# Allegro board 8880F5-0823_RXTX.brd (continued)
## Routing (per net, layer and track width the routed paths; a pad name or vN(x,y) marks a point on that pad's centre or on a via; arc(x,y) is an arc through that point) (continued)
; D124.B11 259.08,38.91 ; D124.B11 258.27,38.1 ; 250.23,242.35 SITE1.G14 ; SITE1.G14 250.71,242.83 ; SITE1.G14 249.75,242.83 ; SITE1.G14 250.23,243.31 ; D116.B10 325.12,389.43 ; D116.B10 324.31,388.62 ; D116.B10 325.93,388.62 ; D116.B10 325.12,387.81 ; 38.1,77.93 D126.B11 ; D126.B11 37.29,78.74 ; D126.B11 38.91,78.74 ; D126.B11 38.1,79.55 ; 326.95,68.58 D302.B9 ; D302.B9 327.66,67.87 ; D302.B9 328.37,68.58 ; D302.B9 327.66,69.29 ; D317.B8 178.51,91.44 ; D317.B8 177.8,92.15 ; D317.B8 177.09,91.44 ; D317.B8 177.8,90.73 ; D231.A11 176.07,375.92 ; D231.A11 175.26,376.73 ; D231.A11 174.45,375.92 ; D231.A11 175.26,375.11 ; SITE1.G12 253.33,248.41 ; SITE1.G12 253.81,247.93 ; SITE1.G12 252.85,247.93 ; SITE1.G12 253.33,247.45 ; D114.B3 343.71,350.52 ; D114.B3 342.9,351.33 ; D114.B3 342.9,349.71 ; D114.B3 342.09,350.52 ; SITE2.G19 331.43,246.91 ; SITE2.G19 331.43,245.95 ; SITE2.G19 331.91,246.43 ; SITE2.G19 330.95,246.43 ; 42.37,58.42 D127.B13 ; D127.B13 43.99,58.42 ; D127.B13 43.18,57.61 ; D127.B13 43.18,59.23 ; 166.83,35.56 D120.A4 ; D120.A4 167.64,36.37 ; D120.A4 167.64,34.75 ; D120.A4 168.45,35.56 ; 391.16,390.35 D112.B13 ; D112.B13 390.35,391.16 ; D112.B13 391.16,391.97 ; D112.B13 391.97,391.16 ; D321.A13 264.16,84.53 ; D321.A13 263.45,83.82 ; D321.A13 264.87,83.82 ; D321.A13 264.16,83.11 ; 393.7,80.47 D106.B6 ; D106.B6 392.89,81.28 ; D106.B6 394.51,81.28 ; D106.B6 393.7,82.09 ; D302.A2 310.59,66.04 ; D302.A2 309.88,66.75 ; D302.A2 309.88,65.33 ; D302.A2 309.17,66.04 ; 194.77,73.66 D118.A15 ; D118.A15 195.58,72.85 ; D118.A15 196.39,73.66 ; D118.A15 195.58,74.47 ; D113.B11 322.58,331.01 ; D113.B11 322.58,329.39 ; D113.B11 323.39,330.2 ; D113.B11 321.77,330.2 ; D306.B12 409.65,71.12 ; D306.B12 408.23,71.12 ; D306.B12 408.94,71.83 ; D306.B12 408.94,70.41 ; 22.86,37.29 D128.B5 ; D128.B5 22.05,38.1 ; D128.B5 22.86,38.91 ; D128.B5 23.67,38.1 ; 416.56,390.35 D112.B3 ; D112.B3 415.75,391.16 ; D112.B3 417.37,391.16 ; D112.B3 416.56,391.97 ; D306.A7 396.95,63.5 ; D306.A7 396.24,64.21 ; D306.A7 395.53,63.5 ; D306.A7 396.24,62.79 ; 45.72,80.47 D126.B14 ; D126.B14 45.72,82.09 ; D126.B14 44.91,81.28 ; D120.A14 193.04,36.37 ; D120.A14 193.85,35.56 ; D120.A14 192.23,35.56 ; D120.A14 193.04,34.75 ; 121.11,78.74 D130.B15 ; D130.B15 122.73,78.74 ; D130.B15 121.92,77.93 ; D130.B15 121.92,79.55 ; D128.B10 35.56,41.45 ; D128.B10 35.56,39.83 ; D128.B10 36.37,40.64 ; D128.B10 34.75,40.64 ; 250.65,35.56 D124.A8 ; D124.A8 251.46,34.75 ; D124.A8 251.46,36.37 ; D124.A8 252.27,35.56 ; 162.56,342.09 CSDPS429.B16 ; CSDPS429.B16 161.75,342.9 ; CSDPS429.B16 162.56,343.71 ; CSDPS429.B16 163.37,342.9 ; 111.76,52.53 D131.A11 ; D131.A11 112.57,53.34 ; D131.A11 111.76,54.15 ; D131.A11 110.95,53.34 ; D130.A12 115.11,76.2 ; D130.A12 114.3,77.01 ; D130.A12 113.49,76.2 ; D130.A12 114.3,75.39 ; 190.5,57.61 D119.B13 ; D119.B13 189.69,58.42 ; D119.B13 190.5,59.23 ; D119.B13 191.31,58.42 ; D431.B8 183.69,378.46 ; D431.B8 182.07,378.46 ; D431.B8 182.88,377.65 ; D431.B8 182.88,379.27 ; SITE2.G4 331.33,241.81 ; SITE2.G4 330.85,241.33 ; SITE2.G4 331.33,240.85 ; SITE2.G4 331.81,241.33 ; 99.06,60.15 D131.B6 ; D131.B6 99.06,61.77 ; D131.B6 98.25,60.96 ; D131.B6 99.87,60.96 ; 328.55,186.43 SITE4.G17 ; SITE4.G17 329.51,186.43 ; SITE4.G17 329.03,185.95 ; SITE4.G17 329.03,186.91 ; 172.01,71.12 D318.B6 ; D318.B6 172.72,70.41 ; D318.B6 173.43,71.12 ; D318.B6 172.72,71.83 ; D107.B12 409.75,60.96 ; D107.B12 408.13,60.96 ; D107.B12 408.94,60.15 ; D107.B12 408.94,61.77 ; 266.7,39.83 D124.B14 ; D124.B14 265.89,40.64 ; D124.B14 267.51,40.64 ; D124.B14 266.7,41.45 ; D130.B7 101.6,79.55 ; D130.B7 102.41,78.74 ; D130.B7 101.6,77.93 ; D130.B7 100.79,78.74 ; D317.B16 198.12,92.15 ; D317.B16 198.12,90.73 ; D317.B16 198.83,91.44 ; D317.B16 197.41,91.44 ; 403.86,367.49 D111.B8 ; D111.B8 403.05,368.3 ; D111.B8 403.86,369.11 ; D111.B8 404.67,368.3 ; 329.39,35.56 D104.A10 ; D104.A10 331.01,35.56 ; D104.A10 330.2,34.75 ; D104.A10 330.2,36.37 ; D231.A10 178.61,373.38 ; D231.A10 177.8,372.57 ; D231.A10 176.99,373.38 ; D231.A10 177.8,374.19 ; D110.B4 414.83,347.98 ; D110.B4 414.02,347.17 ; D110.B4 414.02,348.79 ; D110.B4 413.21,347.98 ; 330.2,75.39 D102.A10 ; D102.A10 329.39,76.2 ; D102.A10 331.01,76.2 ; D102.A10 330.2,77.01 ; SITE1.G11 252.81,247.93 ; SITE1.G11 252.33,248.41 ; SITE1.G11 251.85,247.93 ; SITE1.G11 252.33,247.45 ; 332.33,240.85 SITE2.G5 ; SITE2.G5 332.81,241.33 ; SITE2.G5 332.33,241.81 ; SITE2.G5 331.85,241.33 ; 171.91,378.46 D431.B12 ; D431.B12 173.53,378.46 ; D431.B12 172.72,379.27 ; D431.B12 172.72,377.65 ; 99.06,80.47 D130.B6 ; D130.B6 98.25,81.28 ; D130.B6 99.87,81.28 ; D130.B6 99.06,82.09 ; D129.A12 114.3,97.33 ; D129.A12 114.3,95.71 ; D129.A12 113.49,96.52 ; D129.A12 115.11,96.52 ; 111.76,32.21 D132.A11 ; D132.A11 110.95,33.02 ; D132.A11 111.76,33.83 ; D132.A11 112.57,33.02 ; 408.13,55.88 D107.A12 ; D107.A12 408.94,56.69 ; D107.A12 408.94,55.07 ; D107.A12 409.75,55.88 ; D116.B3 343.71,391.16 ; D116.B3 342.9,390.35 ; D116.B3 342.9,391.97 ; D116.B3 342.09,391.16 ; 197.41,66.04 D318.A16 ; D318.A16 198.83,66.04 ; D318.A16 198.12,65.33 ; D318.A16 198.12,66.75 ; 314.25,66.04 D302.A4 ; D302.A4 314.96,66.75 ; D302.A4 315.67,66.04 ; D302.A4 314.96,65.33 ; D127.A3 17.78,54.15 ; D127.A3 17.78,52.53 ; D127.A3 18.59,53.34 ; D127.A3 16.97,53.34 ; DPS1.A11 407.21,13.97 ; DPS1.A11 406.4,13.16 ; DPS1.A11 406.4,14.78 ; DPS1.A11 405.59,13.97 ; D114.B2 346.25,347.98 ; D114.B2 345.44,347.17 ; D114.B2 344.63,347.98 ; D114.B2 345.44,348.79 ; 419.1,39.83 D108.B16 ; D108.B16 418.29,40.64 ; D108.B16 419.91,40.64 ; D108.B16 419.1,41.45 ; D103.A12 336.09,55.88 ; D103.A12 335.28,56.69 ; D103.A12 335.28,55.07 ; D103.A12 334.47,55.88 ; 321.77,410.21 DPS2.C11 ; DPS2.C11 322.58,411.02 ; DPS2.C11 322.58,409.4 ; DPS2.C11 323.39,410.21 ; 319.23,332.74 D113.A12 ; D113.A12 320.85,332.74 ; D113.A12 320.04,331.93 ; D113.A12 320.04,333.55 ; 321.87,63.5 D302.A7 ; D302.A7 323.29,63.5 ; D302.A7 322.58,62.79 ; D302.A7 322.58,64.21 ; 330.33,187.45 SITE4.G9 ; SITE4.G9 329.85,187.93 ; SITE4.G9 330.33,188.41 ; SITE4.G9 330.81,187.93 ; D132.B15 122.73,38.1 ; D132.B15 121.11,38.1 ; D132.B15 121.92,37.29 ; D132.B15 121.92,38.91 ; D124.B7 249.73,38.1 ; D124.B7 248.92,37.29 ; D124.B7 248.11,38.1 ; D124.B7 248.92,38.91 ; D321.A9 254,84.53 ; D321.A9 254.71,83.82 ; D321.A9 254,83.11 ; D321.A9 253.29,83.82 ; 197.41,86.36 D317.A16 ; D317.A16 198.12,85.65 ; D317.A16 198.83,86.36 ; D317.A16 198.12,87.07 ; 391.16,67.87 D306.B5 ; D306.B5 390.45,68.58 ; D306.B5 391.87,68.58 ; D306.B5 391.16,69.29 ; SITE4.G15 331.91,182.83 ; SITE4.G15 331.43,183.31 ; SITE4.G15 331.43,182.35 ; SITE4.G15 330.95,182.83 ; D127.A13 43.99,53.34 ; D127.A13 43.18,52.53 ; D127.A13 43.18,54.15 ; D127.A13 42.37,53.34 ; 320.04,70.41 D302.B6 ; D302.B6 320.04,71.83 ; D302.B6 320.75,71.12 ; D302.B6 319.33,71.12 ; D305.A15 416.56,84.53 ; D305.A15 415.85,83.82 ; D305.A15 417.27,83.82 ; D305.A15 416.56,83.11 ; 93.17,101.6 D129.B4 ; D129.B4 93.98,102.41 ; D129.B4 94.79,101.6 ; D129.B4 93.98,100.79 ; 30.48,95.71 D125.A8 ; D125.A8 30.48,97.33 ; D125.A8 31.29,96.52 ; D125.A8 29.67,96.52 ; 380.19,78.74 D106.B1 ; D106.B1 381.81,78.74 ; D106.B1 381,77.93 ; D106.B1 381,79.55 ; 320.04,326.85 D113.B12 ; D113.B12 320.85,327.66 ; D113.B12 319.23,327.66 ; D113.B12 320.04,328.47 ; 335.28,70.41 D302.B12 ; D302.B12 335.99,71.12 ; D302.B12 334.57,71.12 ; D302.B12 335.28,71.83 ; 337.82,329.39 D113.B5 ; D113.B5 338.63,330.2 ; D113.B5 337.82,331.01 ; D113.B5 337.01,330.2 ; D231.B3 196.39,370.84 ; D231.B3 195.58,371.65 ; D231.B3 194.77,370.84 ; D231.B3 195.58,370.03 ; D119.A5 170.18,54.15 ; D119.A5 169.37,53.34 ; D119.A5 170.99,53.34 ; D119.A5 170.18,52.53 ; SITE4.G4 331.33,181.81 ; SITE4.G4 330.85,181.33 ; SITE4.G4 331.81,181.33 ; SITE4.G4 331.33,180.85 ; 381,32.21 D108.A1 ; D108.A1 381.81,33.02 ; D108.A1 381,33.83 ; D108.A1 380.19,33.02 ; 333.33,187.45 SITE4.G12 ; SITE4.G12 333.33,188.41 ; SITE4.G12 333.81,187.93 ; SITE4.G12 332.85,187.93 ; 309.07,327.66 D113.B16 ; D113.B16 310.69,327.66 ; D113.B16 309.88,328.47 ; D113.B16 309.88,326.85 ; 398.78,39.83 D108.B8 ; D108.B8 397.97,40.64 ; D108.B8 399.59,40.64 ; D108.B8 398.78,41.45 ; D129.B1 87.17,99.06 ; D129.B1 85.55,99.06 ; D129.B1 86.36,99.87 ; D129.B1 86.36,98.25 ; 195.58,339.55 CSDPS429.C3 ; CSDPS429.C3 194.77,340.36 ; CSDPS429.C3 196.39,340.36 ; CSDPS429.C3 195.58,341.17 ; D321.B16 272.49,91.44 ; D321.B16 271.07,91.44 ; D321.B16 271.78,92.15 ; D321.B16 271.78,90.73 ; 182.88,90.73 D317.B10 ; D317.B10 182.17,91.44 ; D317.B10 182.88,92.15 ; D317.B10 183.59,91.44 ; 198.12,377.65 D431.B2 ; D431.B2 198.12,379.27 ; D431.B2 197.31,378.46 ; D431.B2 198.93,378.46 ; 182.17,66.04 D318.A10 ; D318.A10 183.59,66.04 ; D318.A10 182.88,66.75 ; D318.A10 182.88,65.33 ; CSDPS429.C5 191.31,340.36 ; CSDPS429.C5 189.69,340.36 ; CSDPS429.C5 190.5,341.17 ; CSDPS429.C5 190.5,339.55 ; 332.63,245.95 SITE2.G20 ; SITE2.G20 333.11,246.43 ; SITE2.G20 332.63,246.91 ; SITE2.G20 332.15,246.43 ; 170.18,88.19 D317.B5 ; D317.B5 169.47,88.9 ; D317.B5 170.18,89.61 ; D317.B5 170.89,88.9 ; 250.23,182.35 SITE3.G14 ; SITE3.G14 250.71,182.83 ; SITE3.G14 249.75,182.83 ; SITE3.G14 250.23,183.31 ; 337.01,396.24 D116.A5 ; D116.A5 337.82,397.05 ; D116.A5 337.82,395.43 ; D116.A5 338.63,396.24 ; SITE2.G11 332.81,247.93 ; SITE2.G11 332.33,247.45 ; SITE2.G11 331.85,247.93 ; SITE2.G11 332.33,248.41 ; D318.B1 160.02,69.29 ; D318.B1 160.73,68.58 ; D318.B1 159.31,68.58 ; D318.B1 160.02,67.87 ; 167.64,75.39 D118.A4 ; D118.A4 166.83,76.2 ; D118.A4 167.64,77.01 ; D118.A4 168.45,76.2 ; D305.A8 398.78,87.07 ; D305.A8 399.49,86.36 ; D305.A8 398.07,86.36 ; D305.A8 398.78,85.65 ; D301.B15 342.9,89.61 ; D301.B15 342.9,88.19 ; D301.B15 343.61,88.9 ; D301.B15 342.19,88.9 ; 240.49,35.56 D124.A4 ; D124.A4 241.3,34.75 ; D124.A4 241.3,36.37 ; D124.A4 242.11,35.56 ; D102.B13 337.82,79.55 ; D102.B13 337.01,78.74 ; D102.B13 338.63,78.74 ; D102.B13 337.82,77.93 ; D431.A1 201.47,386.08 ; D431.A1 200.66,385.27 ; D431.A1 200.66,386.89 ; D431.A1 199.85,386.08 ; D318.B10 183.59,71.12 ; D318.B10 182.17,71.12 ; D318.B10 182.88,70.41 ; D318.B10 182.88,71.83 ; D113.A2 346.25,332.74 ; D113.A2 344.63,332.74 ; D113.A2 345.44,333.55 ; D113.A2 345.44,331.93 ; 345.44,55.07 D103.A16 ; D103.A16 345.44,56.69 ; D103.A16 344.63,55.88 ; D103.A16 346.25,55.88 ; 177.8,55.07 D119.A8 ; D119.A8 177.8,56.69 ; D119.A8 178.61,55.88 ; D119.A8 176.99,55.88 ; CSDPS425.C1 274.32,341.17 ; CSDPS425.C1 274.32,339.55 ; CSDPS425.C1 273.51,340.36 ; CSDPS425.C1 275.13,340.36 ; 311.61,38.1 D104.B3 ; D104.B3 313.23,38.1 ; D104.B3 312.42,38.91 ; D104.B3 312.42,37.29 ; D116.A1 347.98,397.05 ; D116.A1 347.17,396.24 ; D116.A1 347.98,395.43 ; D116.A1 348.79,396.24 ; 316.69,370.84 D115.B13 ; D115.B13 317.5,371.65 ; D115.B13 317.5,370.03 ; D115.B13 318.31,370.84 ; D106.A2 383.54,77.01 ; D106.A2 384.35,76.2 ; D106.A2 382.73,76.2 ; D106.A2 383.54,75.39 ; D110.A10 399.59,353.06 ; D110.A10 398.78,352.25 ; D110.A10 398.78,353.87 ; D110.A10 397.97,353.06 ; 316.79,88.9 D301.B5 ; D301.B5 318.21,88.9 ; D301.B5 317.5,89.61 ; D301.B5 317.5,88.19 ; D120.A16 198.12,36.37 ; D120.A16 197.31,35.56 ; D120.A16 198.93,35.56 ; D120.A16 198.12,34.75 ; D120.A3 165.91,33.02 ; D120.A3 164.29,33.02 ; D120.A3 165.1,33.83 ; D120.A3 165.1,32.21 ; 45.72,100.79 D125.B14 ; D125.B14 44.91,101.6 ; D125.B14 46.53,101.6 ; D125.B14 45.72,102.41 ; D119.A12 188.77,55.88 ; D119.A12 187.96,56.69 ; D119.A12 187.96,55.07 ; D119.A12 187.15,55.88 ; D131.B13 116.84,59.23 ; D131.B13 117.65,58.42 ; D131.B13 116.84,57.61 ; D131.B13 116.03,58.42 ; D113.B4 340.36,328.47 ; D113.B4 341.17,327.66 ; D113.B4 339.55,327.66 ; D113.B4 340.36,326.85 ; 414.02,75.39 D106.A14 ; D106.A14 414.83,76.2 ; D106.A14 413.21,76.2 ; D106.A14 414.02,77.01 ; CSDPS229.B6 188.77,332.74 ; CSDPS229.B6 187.96,333.55 ; CSDPS229.B6 187.96,331.93 ; CSDPS229.B6 187.15,332.74 ; 167.64,85.65 D317.A4 ; D317.A4 167.64,87.07 ; D317.A4 166.93,86.36 ; D317.A4 168.35,86.36 ; D104.A11 333.55,33.02 ; D104.A11 332.74,33.83 ; D104.A11 331.93,33.02 ; D104.A11 332.74,32.21 ; D116.B12 320.85,388.62 ; D116.B12 320.04,389.43 ; D116.B12 320.04,387.81 ; D116.B12 319.23,388.62 ; D120.B14 193.85,40.64 ; D120.B14 193.04,39.83 ; D120.B14 193.04,41.45 ; D120.B14 192.23,40.64 ; D123.A9 254.81,53.34 ; D123.A9 254,52.53 ; D123.A9 253.19,53.34 ; D123.A9 254,54.15 ; D128.A1 12.7,33.83 ; D128.A1 11.89,33.02 ; D128.A1 13.51,33.02 ; D128.A1 12.7,32.21 ; D114.A3 343.71,355.6 ; D114.A3 342.9,356.41 ; D114.A3 342.09,355.6 ; D114.A3 342.9,354.79 ; 266.7,80.47 D122.B14 ; D122.B14 266.7,82.09 ; D122.B14 267.51,81.28 ; D122.B14 265.89,81.28 ; 390.35,13.97 DPS1.A05 ; DPS1.A05 391.16,14.78 ; DPS1.A05 391.16,13.16 ; DPS1.A05 391.97,13.97 ; D102.A16 345.44,77.01 ; D102.A16 345.44,75.39 ; D102.A16 346.25,76.2 ; D102.A16 344.63,76.2 ; CSDPS429.C1 201.47,340.36 ; CSDPS429.C1 200.66,339.55 ; CSDPS429.C1 200.66,341.17 ; CSDPS429.C1 199.85,340.36 ; SITE1.G18 250.71,246.43 ; SITE1.G18 249.75,246.43 ; SITE1.G18 250.23,245.95 ; SITE1.G18 250.23,246.91 ; D103.B4 314.96,61.77 ; D103.B4 314.15,60.96 ; D103.B4 314.96,60.15 ; D103.B4 315.77,60.96 ; 259.08,67.87 D322.B11 ; D322.B11 259.79,68.58 ; D322.B11 258.37,68.58 ; D322.B11 259.08,69.29 ; 116.84,32.21 D132.A13 ; D132.A13 116.03,33.02 ; D132.A13 116.84,33.83 ; D132.A13 117.65,33.02 ; 45.72,60.15 D127.B14 ; D127.B14 46.53,60.96 ; D127.B14 44.91,60.96 ; D127.B14 45.72,61.77 ; D306.A10 403.86,66.75 ; D306.A10 404.57,66.04 ; D306.A10 403.86,65.33 ; D306.A10 403.15,66.04 ; 233.68,13.16 DPS3.A01 ; DPS3.A01 233.68,14.78 ; DPS3.A01 232.87,13.97 ; DPS3.A01 234.49,13.97 ; 235.41,35.56 D124.A2 ; D124.A2 236.22,34.75 ; D124.A2 236.22,36.37 ; D124.A2 237.03,35.56 ; 251.33,247.45 SITE1.G10 ; SITE1.G10 251.81,247.93 ; SITE1.G10 250.85,247.93 ; SITE1.G10 251.33,248.41 ; D114.A9 328.47,355.6 ; D114.A9 327.66,354.79 ; D114.A9 326.85,355.6 ; D114.A9 327.66,356.41 ; 118.57,96.52 D129.A14 ; D129.A14 120.19,96.52 ; D129.A14 119.38,97.33 ; D301.A2 310.59,86.36 ; D301.A2 309.88,87.07 ; D301.A2 309.17,86.36 ; D301.A2 309.88,85.65 ; D115.B15 312.42,371.65 ; D115.B15 311.61,370.84 ; D115.B15 313.23,370.84 ; D115.B15 312.42,370.03 ; 307.34,52.53 D103.A1 ; D103.A1 306.53,53.34 ; D103.A1 308.15,53.34 ; D103.A1 307.34,54.15 ; 248.11,330.2 CSDPS225.C11 ; CSDPS225.C11 248.92,329.39 ; CSDPS225.C11 248.92,331.01 ; CSDPS225.C11 249.73,330.2 ; 347.17,330.2 D113.B1 ; D113.B1 347.98,329.39 ; D113.B1 348.79,330.2 ; D113.B1 347.98,331.01 ; 334.47,353.06 D114.A6 ; D114.A6 335.28,352.25 ; D114.A6 336.09,353.06 ; D114.A6 335.28,353.87 ; 320.04,65.33 D302.A6 ; D302.A6 320.04,66.75 ; D302.A6 320.75,66.04 ; D302.A6 319.33,66.04 ; D128.A13 43.99,33.02 ; D128.A13 43.18,33.83 ; D128.A13 43.18,32.21 ; D128.A13 42.37,33.02 ; 331.43,185.95 SITE4.G19 ; SITE4.G19 331.43,186.91 ; SITE4.G19 331.91,186.43 ; SITE4.G19 330.95,186.43 ; SITE3.G5 252.33,181.81 ; SITE3.G5 252.81,181.33 ; SITE3.G5 252.33,180.85 ; SITE3.G5 251.85,181.33 ; DPS8.C11 176.07,410.21 ; DPS8.C11 175.26,411.02 ; DPS8.C11 175.26,409.4 ; DPS8.C11 174.45,410.21 ; 253.19,58.42 D123.B9 ; D123.B9 254,59.23 ; D123.B9 254.81,58.42 ; D123.B9 254,57.61 ; 197.31,60.96 D119.B16 ; D119.B16 198.12,61.77 ; D119.B16 198.93,60.96 ; D119.B16 198.12,60.15 ; 165.1,414.48 DPS8.A15 ; DPS8.A15 165.91,415.29 ; DPS8.A15 165.1,416.1 ; DPS8.A15 164.29,415.29 ; D109.B1 421.64,331.01 ; D109.B1 420.83,330.2 ; D109.B1 421.64,329.39 ; D109.B1 422.45,330.2 ; D102.B6 320.04,82.09 ; D102.B6 320.85,81.28 ; D102.B6 319.23,81.28 ; D102.B6 320.04,80.47 ; 387.81,35.56 D108.A4 ; D108.A4 389.43,35.56 ; D108.A4 388.62,34.75 ; D108.A4 388.62,36.37 ; CSDPS225.B6 261.62,333.55 ; CSDPS225.B6 260.81,332.74 ; CSDPS225.B6 262.43,332.74 ; CSDPS225.B6 261.62,331.93 ; D118.B8 178.61,81.28 ; D118.B8 177.8,82.09 ; D118.B8 177.8,80.47 ; D118.B8 176.99,81.28 ; 114.3,80.47 D130.B12 ; D130.B12 114.3,82.09 ; D130.B12 113.49,81.28 ; D130.B12 115.11,81.28 ; 90.63,38.1 D132.B3 ; D132.B3 91.44,37.29 ; D132.B3 91.44,38.91 ; D132.B3 92.25,38.1 ; D127.A16 50.8,56.69 ; D127.A16 51.61,55.88 ; D127.A16 50.8,55.07 ; D127.A16 49.99,55.88 ; D113.A5 338.63,335.28 ; D113.A5 337.82,336.09 ; D113.A5 337.82,334.47 ; D113.A5 337.01,335.28 ; CSDPS429.B10 178.61,342.9 ; CSDPS429.B10 176.99,342.9 ; CSDPS429.B10 177.8,343.71 ; CSDPS429.B10 177.8,342.09 ; 268.43,33.02 D124.A15 ; D124.A15 269.24,32.21 ; D124.A15 270.05,33.02 ; D124.A15 269.24,33.83 ; 337.01,33.02 D104.A13 ; D104.A13 337.82,32.21 ; D104.A13 338.63,33.02 ; D104.A13 337.82,33.83 ; 251.46,80.47 D122.B8 ; D122.B8 250.65,81.28 ; D122.B8 252.27,81.28 ; D122.B8 251.46,82.09 ; D127.B6 25.4,61.77 ; D127.B6 24.59,60.96 ; D127.B6 25.4,60.15 ; D127.B6 26.21,60.96 ; 252.15,242.83 SITE1.G16 ; SITE1.G16 252.63,243.31 ; SITE1.G16 253.11,242.83 ; SITE1.G16 252.63,242.35 ; 321.77,33.02 D104.A7 ; D104.A7 322.58,32.21 ; D104.A7 323.39,33.02 ; D104.A7 322.58,33.83 ; D318.A11 185.42,64.21 ; D318.A11 185.42,62.79 ; D318.A11 186.13,63.5 ; D318.A11 184.71,63.5 ; D119.B12 187.96,61.77 ; D119.B12 187.15,60.96 ; D119.B12 187.96,60.15 ; D119.B12 188.77,60.96 ; D109.B11 396.24,331.01 ; D109.B11 395.43,330.2 ; D109.B11 397.05,330.2 ; D109.B11 396.24,329.39 ; 408.94,34.75 D108.A12 ; D108.A12 409.75,35.56 ; D108.A12 408.94,36.37 ; D108.A12 408.13,35.56 ; 392.89,368.3 D111.B12 ; D111.B12 393.7,367.49 ; D111.B12 393.7,369.11 ; D111.B12 394.51,368.3 ; 116.03,53.34 D131.A13 ; D131.A13 117.65,53.34 ; D131.A13 116.84,54.15 ; D131.A13 116.84,52.53 ; 268.43,330.2 CSDPS225.C3 ; CSDPS225.C3 269.24,329.39 ; CSDPS225.C3 269.24,331.01 ; CSDPS225.C3 270.05,330.2 ; 314.96,70.41 D302.B4 ; D302.B4 315.67,71.12 ; D302.B4 314.25,71.12 ; D302.B4 314.96,71.83 ; 243.03,78.74 D122.B5 ; D122.B5 243.84,77.93 ; D122.B5 243.84,79.55 ; D122.B5 244.65,78.74 ; 345.44,60.15 D103.B16 ; D103.B16 344.63,60.96 ; D103.B16 346.25,60.96 ; D103.B16 345.44,61.77 ; 19.51,76.2 D126.A4 ; D126.A4 20.32,77.01 ; D126.A4 21.13,76.2 ; D126.A4 20.32,75.39 ; D127.A9 33.02,54.15 ; D127.A9 33.83,53.34 ; D127.A9 33.02,52.53 ; D127.A9 32.21,53.34 ; D305.A9 401.32,84.53 ; D305.A9 401.32,83.11 ; D305.A9 402.03,83.82 ; D305.A9 400.61,83.82 ; D116.A15 313.23,396.24 ; D116.A15 311.61,396.24 ; D116.A15 312.42,395.43 ; D116.A15 312.42,397.05 ; D123.B16 272.59,60.96 ; D123.B16 270.97,60.96 ; D123.B16 271.78,60.15 ; D123.B16 271.78,61.77 ; 390.35,38.1 D108.B5 ; D108.B5 391.97,38.1 ; D108.B5 391.16,38.91 ; D108.B5 391.16,37.29 ; D114.B9 328.47,350.52 ; D114.B9 327.66,351.33 ; D114.B9 326.85,350.52 ; D114.B9 327.66,349.71 ; 329.39,373.38 D115.A8 ; D115.A8 330.2,372.57 ; D115.A8 331.01,373.38 ; D115.A8 330.2,374.19 ; 251.33,240.85 SITE1.G4 ; SITE1.G4 251.81,241.33 ; SITE1.G4 251.33,241.81 ; SITE1.G4 250.85,241.33 ; 408.13,347.98 D110.B6 ; D110.B6 408.94,348.79 ; D110.B6 408.94,347.17 ; D110.B6 409.75,347.98 ; D131.A1 87.17,53.34 ; D131.A1 86.36,52.53 ; D131.A1 85.55,53.34 ; D131.A1 86.36,54.15 ; 185.42,83.11 D317.A11 ; D317.A11 186.13,83.82 ; D317.A11 185.42,84.53 ; D317.A11 184.71,83.82 ; D109.B12 394.51,327.66 ; D109.B12 392.89,327.66 ; D109.B12 393.7,328.47 ; D109.B12 393.7,326.85 ; 197.41,71.12 D318.B16 ; D318.B16 198.12,70.41 ; D318.B16 198.12,71.83 ; D318.B16 198.83,71.12 ; 388.62,39.83 D108.B4 ; D108.B4 388.62,41.45 ; D108.B4 389.43,40.64 ; D108.B4 387.81,40.64 ; D109.B15 386.08,331.01 ; D109.B15 386.89,330.2 ; D109.B15 385.27,330.2 ; D109.B15 386.08,329.39 ; D128.A12 41.45,35.56 ; D128.A12 40.64,34.75 ; D128.A12 39.83,35.56 ; D128.A12 40.64,36.37 ; D110.A12 394.51,353.06 ; D110.A12 393.7,353.87 ; D110.A12 392.89,353.06 ; D110.A12 393.7,352.25 ; 15.24,55.07 D127.A2 ; D127.A2 16.05,55.88 ; D127.A2 14.43,55.88 ; D127.A2 15.24,56.69 ; D106.A5 391.97,73.66 ; D106.A5 391.16,74.47 ; D106.A5 391.16,72.85 ; D106.A5 390.35,73.66 ; D123.B2 237.03,60.96 ; D123.B2 236.22,60.15 ; D123.B2 236.22,61.77 ; D123.B2 235.41,60.96 ; 16.97,99.06 D125.B3 ; D125.B3 17.78,98.25 ; D125.B3 18.59,99.06 ; 187.96,372.57 D231.A6 ; D231.A6 188.77,373.38 ; D231.A6 187.96,374.19 ; D231.A6 187.15,373.38 ; 251.85,187.93 SITE3.G11 ; SITE3.G11 252.33,187.45 ; SITE3.G11 252.33,188.41 ; SITE3.G11 252.81,187.93 ; D111.A15 386.89,375.92 ; D111.A15 386.08,376.73 ; D111.A15 385.27,375.92 ; D111.A15 386.08,375.11 ; D305.A5 391.16,84.53 ; D305.A5 391.87,83.82 ; D305.A5 391.16,83.11 ; D305.A5 390.45,83.82 ; 326.85,38.1 D104.B9 ; D104.B9 327.66,38.91 ; D104.B9 327.66,37.29 ; D104.B9 328.47,38.1 ; 421.64,334.47 D109.A1 ; D109.A1 421.64,336.09 ; D109.A1 422.45,335.28 ; D109.A1 420.83,335.28 ; 85.55,93.98 D129.A1 ; D129.A1 87.17,93.98 ; D129.A1 86.36,93.17 ; D129.A1 86.36,94.79 ; 335.28,331.93 D113.A6 ; D113.A6 336.09,332.74 ; D113.A6 335.28,333.55 ; D113.A6 334.47,332.74 ; 411.48,329.39 D109.B5 ; D109.B5 410.67,330.2 ; D109.B5 412.29,330.2 ; D109.B5 411.48,331.01 ; 421.64,375.11 D111.A1 ; D111.A1 421.64,376.73 ; D111.A1 420.83,375.92 ; D111.A1 422.45,375.92 ; D120.B5 170.18,38.91 ; D120.B5 170.99,38.1 ; D120.B5 170.18,37.29 ; D120.B5 169.37,38.1 ; D116.A10 325.12,394.51 ; D116.A10 324.31,393.7 ; D116.A10 325.12,392.89 ; D116.A10 325.93,393.7 ; 69.67,209.04 S1_I2C.4 ; S1_I2C.4 71.55,209.04 ; S1_I2C.4 70.61,209.98 ; S1_I2C.4 70.61,208.1 ; 251.46,65.33 D322.A8 ; D322.A8 251.46,66.75 ; D322.A8 250.75,66.04 ; D322.A8 252.17,66.04 ; D106.A15 416.56,74.47 ; D106.A15 416.56,72.85 ; D106.A15 415.75,73.66 ; D106.A15 417.37,73.66 ; 32.21,99.06 D125.B9 ; D125.B9 33.02,98.25 ; D125.B9 33.83,99.06 ; D125.B9 33.02,99.87 ; 312.42,52.53 D103.A3 ; D103.A3 313.23,53.34 ; D103.A3 311.61,53.34 ; D103.A3 312.42,54.15 ; 342.09,396.24 D116.A3 ; D116.A3 342.9,397.05 ; D116.A3 342.9,395.43 ; D116.A3 343.71,396.24 ; 190.5,32.21 D120.A13 ; D120.A13 190.5,33.83 ; D120.A13 191.31,33.02 ; D120.A13 189.69,33.02 ; 95.71,38.1 D132.B5 ; D132.B5 97.33,38.1 ; D132.B5 96.52,37.29 ; D132.B5 96.52,38.91 ; 17.78,77.93 D126.B3 ; D126.B3 16.97,78.74 ; D126.B3 18.59,78.74 ; D126.B3 17.78,79.55 ; 383.54,90.73 D305.B2 ; D305.B2 384.25,91.44 ; D305.B2 382.83,91.44 ; D305.B2 383.54,92.15 ; 236.22,70.41 D322.B2 ; D322.B2 235.51,71.12 ; D322.B2 236.93,71.12 ; D322.B2 236.22,71.83 ; 197.31,383.54 D431.A2 ; D431.A2 198.93,383.54 ; D431.A2 198.12,384.35 ; D431.A2 198.12,382.73 ; 401.32,72.85 D106.A9 ; D106.A9 401.32,74.47 ; D106.A9 402.13,73.66 ; D106.A9 400.51,73.66 ; D125.A12 40.64,97.33 ; D125.A12 40.64,95.71 ; D125.A12 39.83,96.52 ; D125.A12 41.45,96.52 ; D122.B6 247.19,81.28 ; D122.B6 245.57,81.28 ; D122.B6 246.38,82.09 ; D122.B6 246.38,80.47 ; D102.A4 315.77,76.2 ; D102.A4 314.15,76.2 ; D102.A4 314.96,75.39 ; D102.A4 314.96,77.01 ; D306.B1 381.71,68.58 ; D306.B1 381,69.29 ; D306.B1 381,67.87 ; D306.B1 380.29,68.58 ; 238.76,57.61 D123.B3 ; D123.B3 237.95,58.42 ; D123.B3 238.76,59.23 ; D123.B3 239.57,58.42 ; 269.24,72.85 D122.A15 ; D122.A15 268.43,73.66 ; D122.A15 269.24,74.47 ; D122.A15 270.05,73.66 ; D108.B9 401.32,38.91 ; D108.B9 402.13,38.1 ; D108.B9 400.51,38.1 ; D108.B9 401.32,37.29 ; D125.A14 45.72,97.33 ; D125.A14 45.72,95.71 ; D125.A14 46.53,96.52 ; D125.A14 44.91,96.52 ; D104.A14 341.17,35.56 ; D104.A14 339.55,35.56 ; D104.A14 340.36,34.75 ; D104.A14 340.36,36.37 ; D123.A2 236.22,56.69 ; D123.A2 235.41,55.88 ; D123.A2 237.03,55.88 ; D123.A2 236.22,55.07 ; 197.31,81.28 D118.B16 ; D118.B16 198.12,82.09 ; D118.B16 198.12,80.47 ; D118.B16 198.93,81.28 ; 314.96,85.65 D301.A4 ; D301.A4 315.67,86.36 ; D301.A4 314.25,86.36 ; D301.A4 314.96,87.07 ; D132.B2 89.71,40.64 ; D132.B2 88.9,41.45 ; D132.B2 88.09,40.64 ; D132.B2 88.9,39.83 ; D122.A2 236.22,77.01 ; D122.A2 237.03,76.2 ; D122.A2 235.41,76.2 ; D122.A2 236.22,75.39 ; D127.A4 20.32,56.69 ; D127.A4 20.32,55.07 ; D127.A4 19.51,55.88 ; D127.A4 21.13,55.88 ; D318.A9 180.34,64.21 ; D318.A9 180.34,62.79 ; D318.A9 181.05,63.5 ; D318.A9 179.63,63.5 ; 347.17,375.92 D115.A1 ; D115.A1 348.79,375.92 ; D115.A1 347.98,375.11 ; D115.A1 347.98,376.73 ; 251.43,182.35 SITE3.G15 ; SITE3.G15 251.91,182.83 ; SITE3.G15 251.43,183.31 ; SITE3.G15 250.95,182.83 ; 166.83,368.3 D231.B14 ; D231.B14 167.64,367.49 ; D231.B14 168.45,368.3 ; D231.B14 167.64,369.11 ; D113.B15 312.42,331.01 ; D113.B15 312.42,329.39 ; D113.B15 313.23,330.2 ; D113.B15 311.61,330.2 ; D114.B15 312.42,351.33 ; D114.B15 311.61,350.52 ; D114.B15 313.23,350.52 ; D114.B15 312.42,349.71 ; 274.32,329.39 CSDPS225.C1 ; CSDPS225.C1 273.51,330.2 ; CSDPS225.C1 274.32,331.01 ; CSDPS225.C1 275.13,330.2 ; D124.A11 259.08,33.83 ; D124.A11 259.89,33.02 ; D124.A11 258.27,33.02 ; D124.A11 259.08,32.21 ; 329.49,91.44 D301.B10 ; D301.B10 330.2,90.73 ; D301.B10 330.91,91.44 ; D301.B10 330.2,92.15 ; 162.56,80.47 D118.B2 ; D118.B2 163.37,81.28 ; D118.B2 162.56,82.09 ; D118.B2 161.75,81.28 ; D321.B12 262.33,91.44 ; D321.B12 261.62,92.15 ; D321.B12 261.62,90.73 ; D321.B12 260.91,91.44 ; SITE2.G10 331.33,248.41 ; SITE2.G10 331.81,247.93 ; SITE2.G10 330.85,247.93 ; SITE2.G10 331.33,247.45 ; 243.84,83.11 D321.A5 ; D321.A5 243.84,84.53 ; D321.A5 243.13,83.82 ; D321.A5 244.55,83.82 ; 314.96,39.83 D104.B4 ; D104.B4 315.77,40.64 ; D104.B4 314.96,41.45 ; D104.B4 314.15,40.64 ; 235.41,40.64 D124.B2 ; D124.B2 237.03,40.64 ; D124.B2 236.22,39.83 ; D124.B2 236.22,41.45 ; 232.97,88.9 D321.B1 ; D321.B1 233.68,89.61 ; D321.B1 233.68,88.19 ; D321.B1 234.39,88.9 ; D118.A2 163.37,76.2 ; D118.A2 162.56,75.39 ; D118.A2 161.75,76.2 ; D118.A2 162.56,77.01 ; D131.A2 89.71,55.88 ; D131.A2 88.9,56.69 ; D131.A2 88.9,55.07 ; D131.A2 88.09,55.88 ; D112.A8 404.67,393.7 ; D112.A8 403.86,394.51 ; D112.A8 403.05,393.7 ; D112.A8 403.86,392.89 ; 233.68,57.61 D123.B1 ; D123.B1 234.49,58.42 ; D123.B1 232.87,58.42 ; D123.B1 233.68,59.23 ; D129.A15 122.73,93.98 ; D129.A15 121.92,94.79 ; D129.A15 121.11,93.98 ; D129.A15 121.92,93.17 ; D125.A11 38.1,94.79 ; D125.A11 37.29,93.98 ; D125.A11 38.91,93.98 ; D125.A11 38.1,93.17 ; 47.45,73.66 D126.A15 ; D126.A15 48.26,72.85 ; D126.A15 49.07,73.66 ; D126.A15 48.26,74.47 ; D124.B8 251.46,41.45 ; D124.B8 252.27,40.64 ; D124.B8 250.65,40.64 ; D124.B8 251.46,39.83 ; 332.03,88.9 D301.B11 ; D301.B11 333.45,88.9 ; D301.B11 332.74,89.61 ; D301.B11 332.74,88.19 ; 327.66,77.93 D102.B9 ; D102.B9 328.47,78.74 ; D102.B9 327.66,79.55 ; D102.B9 326.85,78.74 ; 259.08,52.53 D123.A11 ; D123.A11 259.08,54.15 ; D123.A11 259.89,53.34 ; D123.A11 258.27,53.34 ; D118.A11 186.23,73.66 ; D118.A11 184.61,73.66 ; D118.A11 185.42,72.85 ; D118.A11 185.42,74.47 ; CSDPS425.C13 244.65,340.36 ; CSDPS425.C13 243.84,341.17 ; CSDPS425.C13 243.84,339.55 ; CSDPS425.C13 243.03,340.36 ; CSDPS225.B8 256.54,333.55 ; CSDPS225.B8 255.73,332.74 ; CSDPS225.B8 256.54,331.93 ; CSDPS225.B8 257.35,332.74 ; 265.89,35.56 D124.A14 ; D124.A14 266.7,36.37 ; D124.A14 266.7,34.75 ; D124.A14 267.51,35.56 ; 403.86,352.25 D110.A8 ; D110.A8 403.86,353.87 ; D110.A8 403.05,353.06 ; D110.A8 404.67,353.06 ; CSDPS229.C11 175.26,331.01 ; CSDPS229.C11 174.45,330.2 ; CSDPS229.C11 175.26,329.39 ; CSDPS229.C11 176.07,330.2 ; D107.A3 386.08,54.15 ; D107.A3 385.27,53.34 ; D107.A3 386.89,53.34 ; D107.A3 386.08,52.53 ; 249.85,181.33 SITE3.G3 ; SITE3.G3 250.33,180.85 ; SITE3.G3 250.81,181.33 ; SITE3.G3 250.33,181.81 ; 192.23,378.46 D431.B4 ; D431.B4 193.04,379.27 ; D431.B4 193.04,377.65 ; D431.B4 193.85,378.46 ; D302.B8 325.83,71.12 ; D302.B8 324.41,71.12 ; D302.B8 325.12,71.83 ; D302.B8 325.12,70.41 ; DPS2.C15 312.42,411.02 ; DPS2.C15 312.42,409.4 ; DPS2.C15 313.23,410.21 ; DPS2.C15 311.61,410.21 ; D122.B7 248.92,79.55 ; D122.B7 248.11,78.74 ; D122.B7 248.92,77.93 ; D122.B7 249.73,78.74 ; 245.57,342.9 CSDPS425.B12 ; CSDPS425.B12 246.38,343.71 ; CSDPS425.B12 246.38,342.09 ; CSDPS425.B12 247.19,342.9 ; D111.B7 407.21,370.84 ; D111.B7 405.59,370.84 ; D111.B7 406.4,370.03 ; D111.B7 406.4,371.65 ; D107.B5 391.97,58.42 ; D107.B5 391.16,57.61 ; D107.B5 390.35,58.42 ; D107.B5 391.16,59.23 ; D129.A7 102.41,93.98 ; D129.A7 100.79,93.98 ; D129.A7 101.6,93.17 ; D129.A7 101.6,94.79 ; 93.17,81.28 D130.B4 ; D130.B4 94.79,81.28 ; D130.B4 93.98,80.47 ; D130.B4 93.98,82.09 ; 387.91,71.12 D306.B4 ; D306.B4 389.33,71.12 ; D306.B4 388.62,70.41 ; D306.B4 388.62,71.83 ; 233.68,18.24 DPS3.C01 ; DPS3.C01 233.68,19.86 ; DPS3.C01 234.49,19.05 ; DPS3.C01 232.87,19.05 ; 165.1,37.29 D120.B3 ; D120.B3 165.1,38.91 ; D120.B3 164.29,38.1 ; D120.B3 165.91,38.1 ; 261.62,80.47 D122.B12 ; D122.B12 260.81,81.28 ; D122.B12 261.62,82.09 ; D122.B12 262.43,81.28 ; D126.B5 23.67,78.74 ; D126.B5 22.05,78.74 ; D126.B5 22.86,77.93 ; D126.B5 22.86,79.55 ; 405.59,78.74 D106.B11 ; D106.B11 406.4,79.55 ; D106.B11 406.4,77.93 ; D106.B11 407.21,78.74 ; 252.15,182.83 SITE3.G16 ; SITE3.G16 252.63,182.35 ; SITE3.G16 253.11,182.83 ; SITE3.G16 252.63,183.31 ; D129.A16 124.46,97.33 ; D129.A16 124.46,95.71 ; D129.A16 125.27,96.52 ; D129.A16 123.65,96.52 ; 172.01,66.04 D318.A6 ; D318.A6 172.72,65.33 ; D318.A6 173.43,66.04 ; D318.A6 172.72,66.75 ; 48.26,93.17 D125.A15 ; D125.A15 49.07,93.98 ; D125.A15 47.45,93.98 ; D125.A15 48.26,94.79 ; 45.72,39.83 D128.B14 ; D128.B14 44.91,40.64 ; D128.B14 45.72,41.45 ; D128.B14 46.53,40.64 ; D114.B12 320.85,347.98 ; D114.B12 319.23,347.98 ; D114.B12 320.04,347.17 ; D114.B12 320.04,348.79 ; 169.37,58.42 D119.B5 ; D119.B5 170.18,57.61 ; D119.B5 170.99,58.42 ; D119.B5 170.18,59.23 ; D110.A4 414.83,353.06 ; D110.A4 414.02,352.25 ; D110.A4 413.21,353.06 ; D110.A4 414.02,353.87 ; 266.7,331.93 CSDPS225.B4 ; CSDPS225.B4 267.51,332.74 ; CSDPS225.B4 266.7,333.55 ; CSDPS225.B4 265.89,332.74 ; 250.85,181.33 SITE3.G4 ; SITE3.G4 251.33,180.85 ; SITE3.G4 251.81,181.33 ; SITE3.G4 251.33,181.81 ; D130.A6 99.06,77.01 ; D130.A6 99.87,76.2 ; D130.A6 98.25,76.2 ; D130.A6 99.06,75.39 ; D131.A4 93.98,56.69 ; D131.A4 93.98,55.07 ; D131.A4 94.79,55.88 ; D131.A4 93.17,55.88 ; D302.A16 346.15,66.04 ; D302.A16 345.44,65.33 ; D302.A16 345.44,66.75 ; D302.A16 344.73,66.04 ; D119.B14 193.04,61.77 ; D119.B14 192.23,60.96 ; D119.B14 193.85,60.96 ; D119.B14 193.04,60.15 ; D123.A4 242.11,55.88 ; D123.A4 241.3,56.69 ; D123.A4 241.3,55.07 ; D123.A4 240.49,55.88 ; 248.33,187.45 SITE3.G7 ; SITE3.G7 247.85,187.93 ; SITE3.G7 248.33,188.41 ; SITE3.G7 248.81,187.93 ; D112.A11 397.05,396.24 ; D112.A11 396.24,395.43 ; D112.A11 395.43,396.24 ; D112.A11 396.24,397.05 ; D132.A8 104.14,36.37 ; D132.A8 104.14,34.75 ; D132.A8 104.95,35.56 ; D132.A8 103.33,35.56 ; D103.A2 310.69,55.88 ; D103.A2 309.07,55.88 ; D103.A2 309.88,56.69 ; D103.A2 309.88,55.07 ; D305.A10 403.86,87.07 ; D305.A10 403.86,85.65 ; D305.A10 403.15,86.36 ; D305.A10 404.57,86.36 ; 123.65,35.56 D132.A16 ; D132.A16 124.46,34.75 ; D132.A16 125.27,35.56 ; D132.A16 124.46,36.37 ; 383.54,85.65 D305.A2 ; D305.A2 383.54,87.07 ; D305.A2 384.25,86.36 ; D305.A2 382.83,86.36 ; 162.56,85.65 D317.A2 ; D317.A2 161.85,86.36 ; D317.A2 163.27,86.36 ; D317.A2 162.56,87.07 ; DPS8.C05 190.5,411.02 ; DPS8.C05 191.31,410.21 ; DPS8.C05 189.69,410.21 ; DPS8.C05 190.5,409.4 ; 49.99,81.28 D126.B16 ; D126.B16 50.8,82.09 ; D126.B16 50.8,80.47 ; D126.B16 51.61,81.28 ; D116.A2 346.25,393.7 ; D116.A2 345.44,392.89 ; D116.A2 345.44,394.51 ; D116.A2 344.63,393.7 ; SITE2.G6 333.33,241.81 ; SITE2.G6 333.81,241.33 ; SITE2.G6 333.33,240.85 ; SITE2.G6 332.85,241.33 ; 382.73,347.98 D110.B16 ; D110.B16 383.54,348.79 ; D110.B16 384.35,347.98 ; D110.B16 383.54,347.17 ; D114.A11 323.39,355.6 ; D114.A11 322.58,354.79 ; D114.A11 321.77,355.6 ; D114.A11 322.58,356.41 ; D302.B5 318.21,68.58 ; D302.B5 316.79,68.58 ; D302.B5 317.5,69.29 ; D302.B5 317.5,67.87 ; D106.B5 391.97,78.74 ; D106.B5 391.16,77.93 ; D106.B5 391.16,79.55 ; D106.B5 390.35,78.74 ; 312.42,375.11 D115.A15 ; D115.A15 312.42,376.73 ; D115.A15 313.23,375.92 ; D115.A15 311.61,375.92 ; D120.A11 186.23,33.02 ; D120.A11 184.61,33.02 ; D120.A11 185.42,32.21 ; D120.A11 185.42,33.83 ; 180.34,32.21 D120.A9 ; D120.A9 179.53,33.02 ; D120.A9 181.15,33.02 ; D120.A9 180.34,33.83 ; D131.B12 115.11,60.96 ; D131.B12 114.3,61.77 ; D131.B12 113.49,60.96 ; D131.B12 114.3,60.15 ; D431.B14 167.64,379.27 ; D431.B14 167.64,377.65 ; D431.B14 168.45,378.46 ; D431.B14 166.83,378.46 ; D125.A9 33.83,93.98 ; D125.A9 33.02,94.79 ; D125.A9 33.02,93.17 ; D125.A9 32.21,93.98 ; 254,62.79 D322.A9 ; D322.A9 254,64.21 ; D322.A9 253.29,63.5 ; D322.A9 254.71,63.5 ; 265.99,86.36 D321.A14 ; D321.A14 267.41,86.36 ; D321.A14 266.7,87.07 ; D321.A14 266.7,85.65 ; D231.A15 165.91,375.92 ; D231.A15 164.29,375.92 ; D231.A15 165.1,376.73 ; D231.A15 165.1,375.11 ; D301.B13 338.53,88.9 ; D301.B13 337.82,88.19 ; D301.B13 337.11,88.9 ; D301.B13 337.82,89.61 ; D431.B10 178.61,378.46 ; D431.B10 177.8,379.27 ; D431.B10 177.8,377.65 ; D431.B10 176.99,378.46 ; D231.A14 168.45,373.38 ; D231.A14 166.83,373.38 ; D231.A14 167.64,374.19 ; D231.A14 167.64,372.57 ; D109.A11 396.24,336.09 ; D109.A11 395.43,335.28 ; D109.A11 396.24,334.47 ; D109.A11 397.05,335.28 ; 39.83,76.2 D126.A12 ; D126.A12 40.64,75.39 ; D126.A12 40.64,77.01 ; D126.A12 41.45,76.2 ; 95.71,73.66 D130.A5 ; D130.A5 96.52,74.47 ; D130.A5 97.33,73.66 ; D130.A5 96.52,72.85 ; D131.A12 115.11,55.88 ; D131.A12 114.3,55.07 ; D131.A12 113.49,55.88 ; D131.A12 114.3,56.69 ; 397.97,35.56 D108.A8 ; D108.A8 398.78,34.75 ; D108.A8 399.59,35.56 ; D108.A8 398.78,36.37 ; D431.A10 178.61,383.54 ; D431.A10 177.8,384.35 ; D431.A10 176.99,383.54 ; D431.A10 177.8,382.73 ; 381,52.53 D107.A1 ; D107.A1 380.19,53.34 ; D107.A1 381,54.15 ; D107.A1 381.81,53.34 ; 238.05,88.9 D321.B3 ; D321.B3 238.76,88.19 ; D321.B3 239.47,88.9 ; D321.B3 238.76,89.61 ; D108.A10 403.86,36.37 ; D108.A10 404.67,35.56 ; D108.A10 403.86,34.75 ; D108.A10 403.05,35.56 ; D107.A11 406.4,54.15 ; D107.A11 406.4,52.53 ; D107.A11 407.21,53.34 ; D107.A11 405.59,53.34 ; 319.23,368.3 D115.B12 ; D115.B12 320.04,369.11 ; D115.B12 320.04,367.49 ; D115.B12 320.85,368.3